# Altium PCB VAMoS Rev D.PcbDoc (part 3 of 4) (continued)
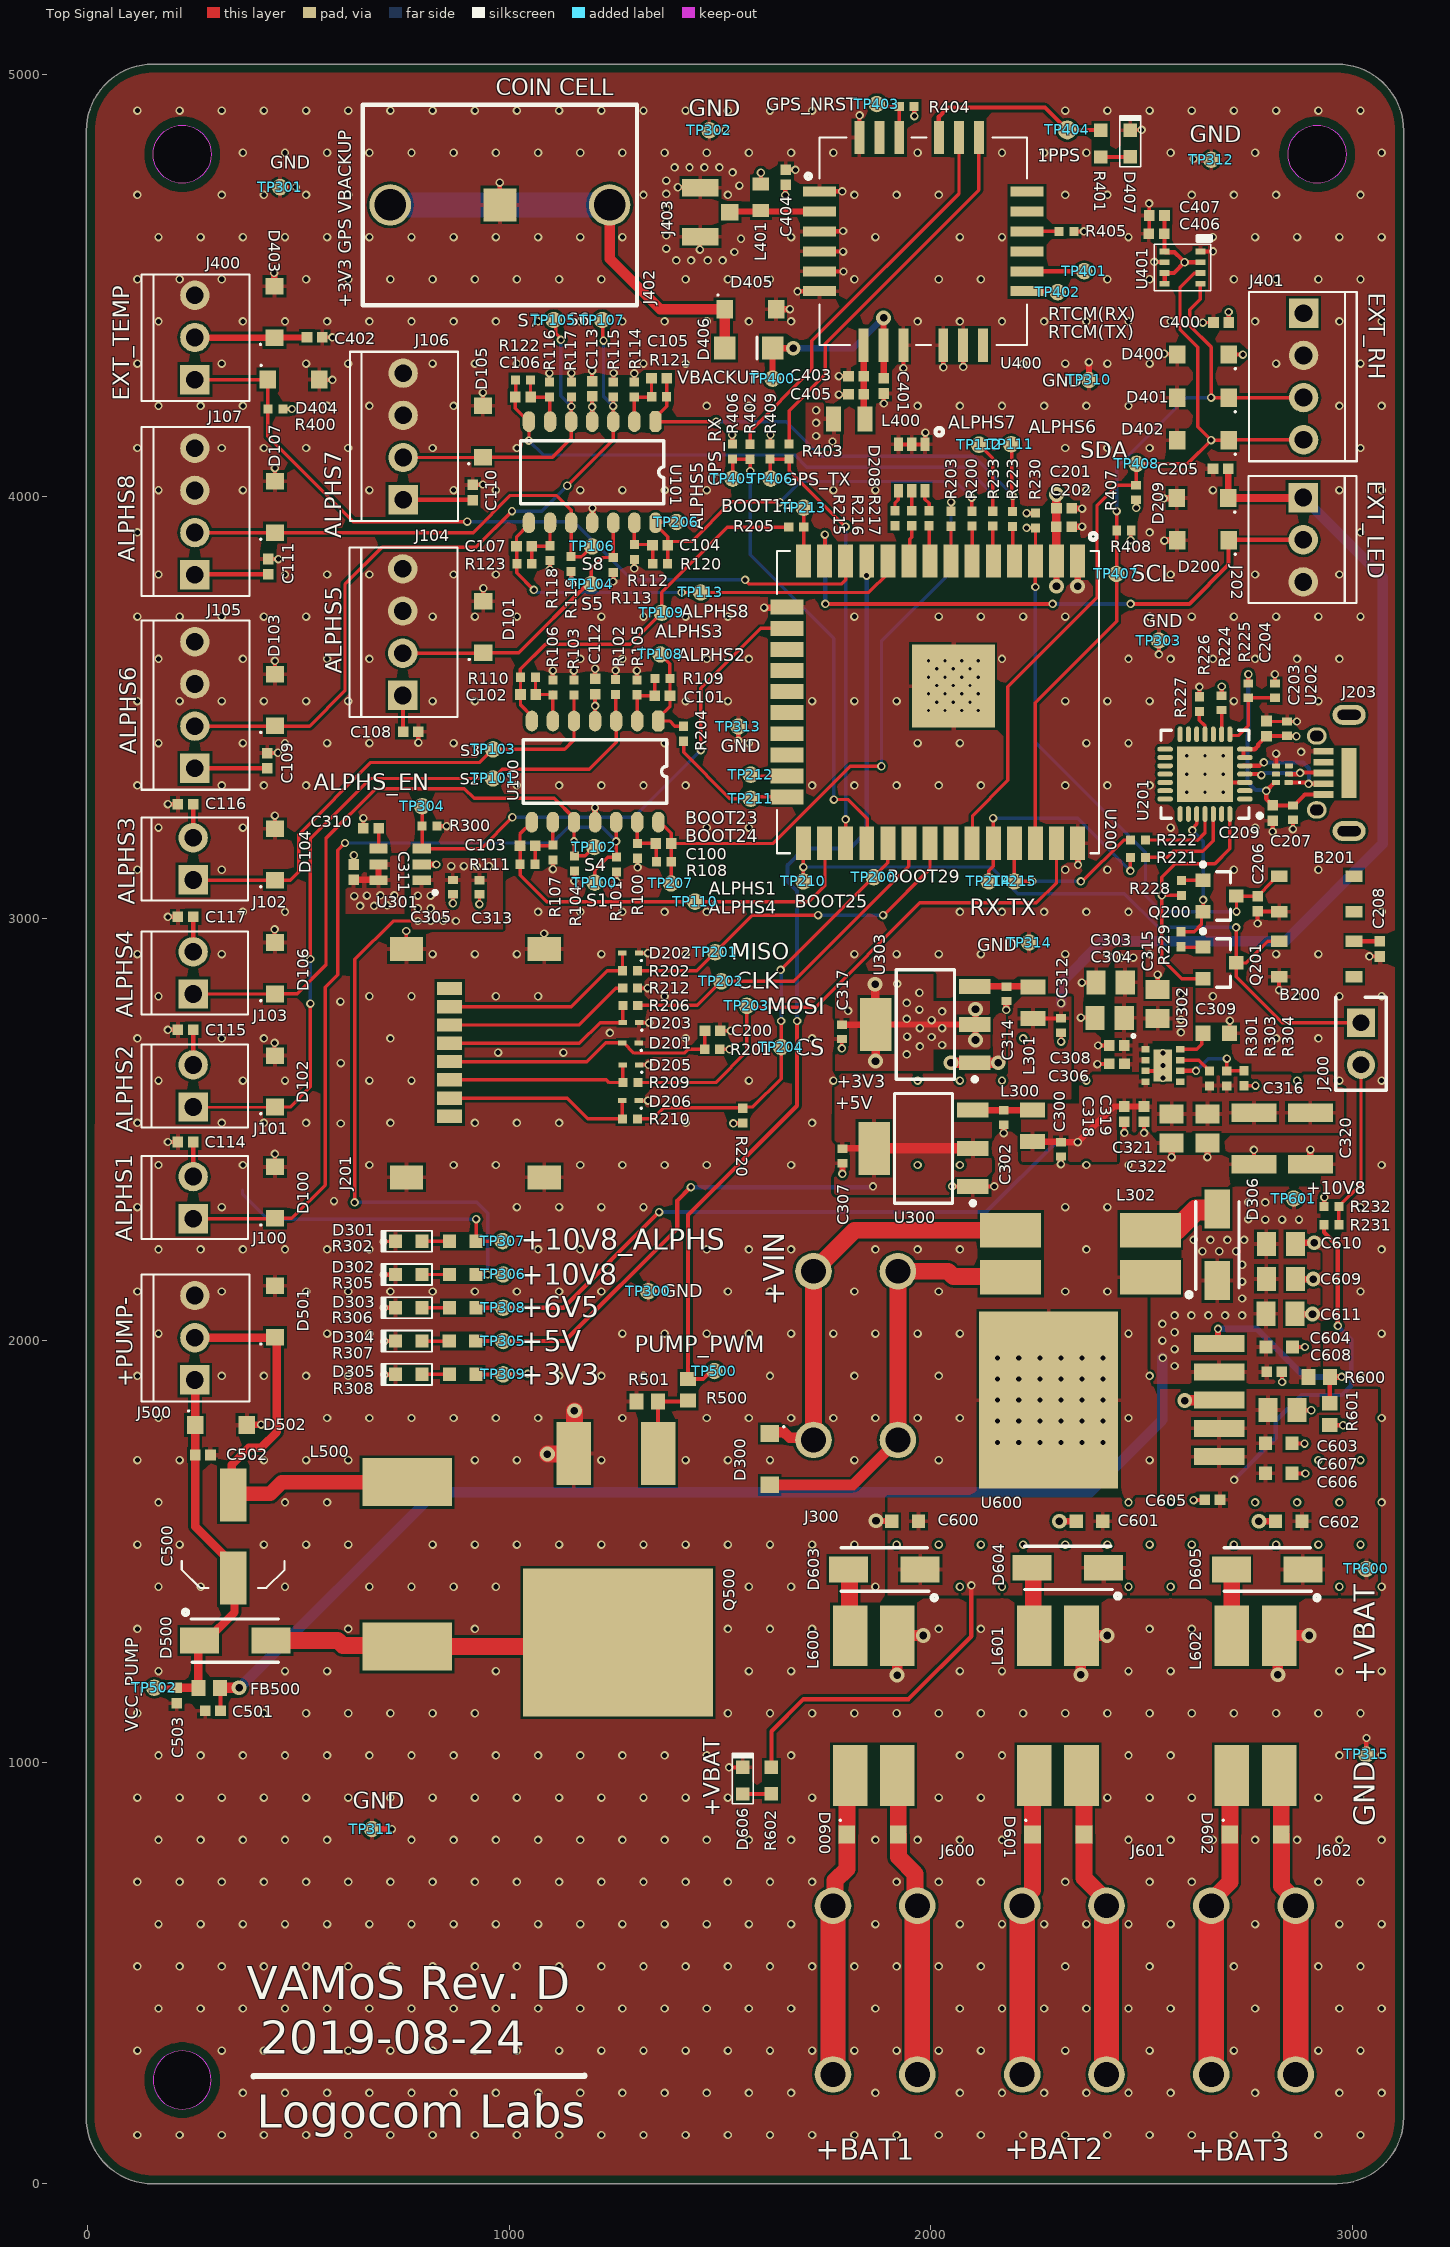
[diagram p0: Top Signal Layer view]
## Nets (pads, with @x,y where several pads share a name; then routed paths per layer and width w, separated by ;. In a path a pad name is that pad's centre, name@x,y a point inside that pad or via, vN(x,y) a via of type N, cw(c..) or ccw(c..) an arc to the next point about the centre after c; other vN are vias at no path point) (continued)
  other v2: 2048,2658
  other v3: 2606.83,3298.98 2650.14,3298.98 2693.45,3298.98 2606.83,3342.29 2693.45,3342.29 2606.83,3385.6 2650.14,3385.6 2693.45,3385.6
GPS_1PPS: R401.2 TP404.1 U400.21 | length 465.3
  Top Signal Layer w10: U400.21@2019.66,4851.5 2019.07,4852.09 2019.07,4901.07 2041,4923 2270.49,4923 TP404.1@2323.8,4869.69 2402.06,4869.69 R401.2@2403,4868.75
GPS_NRST: R404.1 TP403.1 U400.22 | length 129.3
  Top Signal Layer w8: TP403.1@1872.1,4931.09 1877.82,4925.37 1925.1,4925.37 R404.1@1925.17,4925.3 U400.22@1925.17,4851.5
GPS_RX: R402.1 R406.1 TP405.1 U200.28 | length 1128.3
  Top Signal Layer w8: R406.1@1529.77,4089.5 R406.1@1530,4089.28 ; TP405.1@1530,4043 R406.1@1530,4089.28 ; v1(1572,4061) 1572,4088.47 R402.1@1571.52,4088.95 1571.24,4089.23 1530.05,4089.23 R406.1@1530,4089.28 ; v1(1770,3282) 1804,3282 1849,3237 1849,3186.65 1849.27,3186.38 1848.27,3185.38 U200.28@1849.02,3184.63
  Bottom Signal Layer w8: v1(1572,4061) 1572,3862 1770,3664 v1(1770,3282)
GPS_TX: R403.1 R409.1 TP406.1 U200.27 | length 1071.7
  Top Signal Layer w8: TP406.1@1620.17,4043 1619.67,4043.5 1619.67,4088.78 R409.1@1619.17,4089.28 R403.1@1664.17,4089.28 1664.17,4061.83 1797,3929 v1(1798,3929) ; v1(1798,3235) 1798,3165.57 U200.27@1798.16,3165.41
  Bottom Signal Layer w8: v1(1798,3235) v1(1798,3929)
I2C_SCL: D401.1 J401.3 R408.1 TP407.1 U200.36 U401.4 | length 1780.6
  Top Signal Layer w8: U200.36@2249.02,3184.63 2245.27,3188.38 2247.27,3190.38 2247.27,3511.27 2440.5,3704.5 v1(2440.5,3966) ; U401.4@2639.25,4504.81 2639.25,4468.25 2614,4443 2614,4405.72 2664.68,4355.03 v1(2664.68,4235) D401.1@2706.02,4235 J401.3@2884,4235
  Bottom Signal Layer w8: v1(2440.5,3966) 2440.5,4069.5 2606,4235 v1(2664.68,4235)
I2C_SDA: D402.1 J401.4 R407.1 TP408.1 U200.33 U401.3 | length 1956.7
  Top Signal Layer w8: U200.33@2099.02,3184.63 2099.02,3243.98 2182.27,3327.23 2182.27,3549.27 2394,3761 2394,3979 2442,4027 R407.1@2487,4027 2487,4078 TP408.1@2488,4078 2608.68,4078 v1(2664.68,4134) ; U401.3@2639.25,4530.4 2624.4,4530.4 2591,4497 2591,4396 2633,4354 2633,4165.68 v1(2664.68,4134) ; J401.4@2884,4135 2707.02,4135 D402.1@2706.02,4134 v1(2664.68,4134)
LED_EXT: D200.1 J202.2 U200.13 | length 1444
  Top Signal Layer w10: U200.13@1748.16,3860.68 1749,3861.53 v1(1749,3910) ; v1(1750,3746) v1(2289,3746) ; v1(2474,3746) 2613,3746 2706.02,3839.02 D200.1@2706.02,3897 2707.02,3898 J202.2@2883,3898
  Bottom Signal Layer w10: v1(1749,3910) 1749.5,3909.5 1749.5,3746.5 v1(1750,3746) ; v1(2289,3746) v1(2474,3746)
LED_G: R217.1 U200.8 | length 71.5
  Top Signal Layer w8: R217.1@1996,3931.28 1996,3862.84 U200.8@1998.16,3860.68
LED_R: R216.1 U200.9 | length 73.4
  Top Signal Layer w8: U200.9@1948.16,3860.68 1950,3862.53 1950,3899 1955,3904 R216.1@1955,3931.28
NetB200_2: B200.2 C208.1 | length 61.5
  Top Signal Layer w10: B200.2@3003.43,2946.4 3003.54,2946.3 3064.74,2946.3 C208.1@3064.85,2946.19
NetC100_1: C100.1 R100.2 R108.1 U100.13 | length 139.2
  Top Signal Layer w8: U100.13@1304.01,3228.4 1304.01,3179.15 R100.2@1305.01,3178.15 R100.2@1308.76,3178.15 ; R100.2@1308.54,3178.38 R100.2@1308.76,3178.15 ; R100.2@1309.57,3177.34 R100.2@1308.76,3178.15 ; R108.1@1349.29,3134.43 1349.29,3176.56 C100.1@1348.18,3177.67 1347.71,3178.15 R100.2@1308.76,3178.15
NetC101_1: C101.1 R105.2 R109.1 U100.2 | length 143
  Top Signal Layer w8: R105.2@1303.65,3530.47 1304.01,3530.12 U100.2@1304.01,3468.4 ; R105.2@1305.94,3528.19 C101.1@1345.54,3528.19 1345.54,3568.8 R109.1@1345.94,3569.19
NetC102_1: C102.1 R106.2 R110.1 U100.6 | length 149.9
  Top Signal Layer w8: R110.1@1062.72,3572 1062.72,3531.74 C102.1@1063.39,3531.06 R106.2@1104.01,3531.06 ; U100.6@1104.01,3468.4 1104.01,3523.05 R106.2@1104.01,3531.06 ; R106.2@1104.01,3536.48 R106.2@1104.01,3531.06
NetC103_1: C103.1 R107.2 R111.1 U100.9 | length 143.1
  Top Signal Layer w8: R111.1@1061.86,3128.5 1062.25,3128.89 C103.1@1062.25,3172.25 R107.2@1101.53,3172.25 ; R107.2@1104.48,3174.42 1104.01,3174.89 U100.9@1104.01,3228.4 U100.9@1108.09,3224.32
NetC104_1: C104.1 R112.2 R120.1 U101.13 | length 139.1
  Top Signal Layer w8: U101.13@1297.24,3938.15 R112.2@1297.24,3886.87 1338.53,3886.87 C104.1@1340.24,3885.15 1340.64,3884.76 R120.1@1340.64,3841.23
NetC105_1: C105.1 R114.2 R121.1 U101.2 | length 141.9
  Top Signal Layer w8: U101.2@1297.24,4178.15 1297.24,4235.88 1297.39,4236.03 1335.04,4236.03 1337.89,4238.88 C105.1@1337.89,4281.17
NetC106_1: C106.1 R116.2 R122.1 U101.6 | length 145.8
  Top Signal Layer w8: R122.1@1051,4277 1051,4236.87 C106.1@1051.39,4236.48 1051.59,4236.28 R116.2@1096,4236.28 R116.2@1096.54,4236.28 ; U101.6@1097.24,4178.15 1096.54,4178.86 R116.2@1096.54,4236.28 ; R116.2@1098,4236.28 R116.2@1096.54,4236.28
NetC107_1: C107.1 R118.2 R123.1 U101.9 | length 139.3
  Top Signal Layer w8: R123.1@1053.96,3841.15 C107.1@1054.01,3882.32 C107.1@1054.01,3882.32 1095.7,3882.32 R118.2@1097.24,3883.87 U101.9@1097.24,3938.15
NetC200_1: C200.1 D201.2 J201.4 R201.2 | length 680.9
  Top Signal Layer w8: J201.4@859.28,2660.73 1184.73,2660.73 1229,2705 D201.2@1268.31,2705 1272.25,2705 1296.25,2681 1415.83,2681 1425,2690.17 1464.17,2690.17 1464.17,2733.23 C200.1@1464.77,2733.83
NetC302_2: C302.2 L300.2 U300.3 | length 139.2
  Top Signal Layer w8: L300.2@2240.13,2544.65 L300.2@2241.53,2546.05 L300.2@2242.77,2547.29
  Top Signal Layer w15: U300.3@2099.81,2545.55 C302.2@2172.68,2545.55 ; C302.2@2172.68,2545 L300.2@2235.28,2545
NetC309_2: C309.2 U302.8 | length 84.3
  Top Signal Layer w8: U302.8@2591.53,2689.86 2630.85,2689.86 2642.85,2701.86 2642.85,2725.35 C309.2@2645.35,2727.86 C309.2@2645.35,2728.84
NetC310_1: C310.1 U301.4 | length 48.7
  Top Signal Layer w8: U301.4@690.67,3165.48 690.67,3213.9 C310.1@690.85,3214.08
NetC314_2: C314.2 L301.2 U303.3 | length 138.5
  Top Signal Layer w8: L301.2@2240.98,2839.09 L301.2@2242.13,2837.94 L301.2@2242.21,2838.02
  Top Signal Layer w15: U303.3@2104.26,2839.09 L301.2@2240.98,2839.09
NetC403_2: C403.2 C405.2 L400.2 U400.7 | length 177.6
  Top Signal Layer w15: U400.7@1840.53,4361.11 1840.87,4360.77 1840.87,4286.43 C403.2@1841.21,4286.09 C405.2@1841.21,4243.09 1840.89,4242.76 1840.89,4184.41 L400.2@1840.57,4184.09
NetD202_2: D202.2 J201.7 R202.2 | length 486.9
  Top Signal Layer w8: J201.7@859.28,2790.65 1147.51,2790.65 1233.21,2876.34 1268.93,2876.34 1268.93,2917.66 D202.2@1268.58,2918
NetD203_2: D203.2 J201.5 R206.2 | length 471.7
  Top Signal Layer w8: J201.5@859.28,2704.03 1167.03,2704.03 1216,2753 D203.2@1269.58,2753 1269.72,2753.14 1269.72,2793.86 R206.2@1269.87,2794
NetD205_2: D205.2 J201.3 R209.2 | length 456.1
  Top Signal Layer w8: J201.3@859.28,2617.42 1230.58,2617.42 1237,2611 R209.2@1270.28,2611 1269.8,2611.48 1269.8,2652.52 D205.2@1269.31,2653
NetD206_2: D206.2 J201.2 R210.2 | length 473.7
  Top Signal Layer w8: J201.2@859.28,2574.11 1137.59,2574.11 1186.7,2525 R210.2@1269.28,2525 1268.8,2525.48 1268.8,2567.52 D206.2@1268.31,2568
NetD208_4: D208.4 R215.2 | length 55.6
  Top Signal Layer w8: R215.2@1915,3966.72 1915,3984.43 1923,3992.43 1923,4013.38 D208.4@1923.5,4013.88
  Top Signal Layer w10: D208.4@1923.5,4008.96 D208.4@1923.5,4013.88
NetD208_5: D208.5 R216.2 | length 47.2
  Top Signal Layer w8: R216.2@1955,3966.72 D208.5@1955,4013.88
NetD208_6: D208.6 R217.2 | length 56.4
  Top Signal Layer w8: D208.6@1986.5,4013.88 1986,4013.39 1986,3994.43 1996,3984.43 R217.2@1996,3966.72
  Top Signal Layer w10: D208.6@1986.5,4008.96 D208.6@1986.5,4013.88
NetD300_2: D300.2 J300.1 L302.2 | length 992.3
  Top Signal Layer w10: D300.2@1617.57,1656.11 D300.2@1618.22,1656.76
  Top Signal Layer w25: D300.2@1618.22,1656.76 1815.13,1656.76 J300.1@1921.93,1763.56
  Top Signal Layer w40: J300.1@1921.93,1763.56 J300.1@1921.93,2163.56 2040.67,2163.56 2053.23,2151 L302.2@2160.16,2151
NetD301_1: D301.1 R302.1 | length 65
  Top Signal Layer w8: D301.1@793.85,2234.81 R302.1@858.86,2234.81
NetD302_1: D302.1 R305.1 | length 65.1
  Top Signal Layer w8: D302.1@793.85,2155.87 858.67,2155.87 R305.1@858.86,2156.06
NetD303_1: D303.1 R306.1 | length 66.5
  Top Signal Layer w8: D303.1@793.85,2076.94 858.73,2076.94 R306.1@858.86,2077.06 ; D303.1@793.85,2085.06 D303.1@794.83,2084.08
NetD304_1: D304.1 R307.1 | length 64.5
  Top Signal Layer w8: D304.1@793.85,1998 858.29,1998 R307.1@858.35,1998.06
NetD305_1: D305.1 R308.1 | length 65.9
  Top Signal Layer w8: D305.1@793.85,1919.06 R308.1@858.86,1919.06 ; R308.1@862.93,1919.06 R308.1@863.86,1919.06
NetD306_2: D306.2 L302.4 | length 149.5
  Top Signal Layer w50: L302.4@2549.65,2263 2583,2263 2629,2309 2677.6,2309 D306.2@2679.4,2310.8
NetD405_1: D405.1 D406.1 J402.1 | length 1055.1
  Top Signal Layer w15: J402.1@717.32,4690.85 J402.1@718.31,4691.83 ; D406.1@1511.07,4352.71 D406.1@1511.13,4352.77
  Top Signal Layer w25: J402.1@1238.39,4691.83 1238.39,4564.61 1358.29,4444.71 D405.1@1503.13,4444.71 ; D406.1@1511.13,4352.77 D405.1@1511.13,4444.71
  Bottom Signal Layer w60: J402.1@718.31,4691.83 J402.1@1238.39,4691.83
NetD407_1: D407.1 R401.1 | length 70.6
  Top Signal Layer w10: R401.1@2403,4805.76 2472.5,4805.76 D407.1@2473,4806.25 D407.1@2473.28,4805.97
NetD500_2: D500.2 L500.1 Q500.2 | length 832.4
  Top Signal Layer w40: D500.2@435.65,1288 594,1288 606,1276 756.05,1276 L500.1@758.29,1273.76 1248.65,1273.76 Q500.2@1258.21,1283.33
NetD600_2: D600.2 J600.1 L600.2 | length 1128.4
  Top Signal Layer w40: L600.2@1920.35,967.89 1922.83,965.41 1922.83,828.57 D600.2@1923.14,828.26 1923.46,827.95 1923.46,774.54 1962.97,735.03 1962.97,664.41 J600.1@1968.12,659.26
  Top Signal Layer w60: J600.1@1968.12,259.26 J600.1@1968.12,659.26
  Bottom Signal Layer w60: J600.1@1968.12,259.26 J600.1@1968.12,659.26
NetD601_2: D601.2 J601.1 L601.2 | length 1133.2
  Top Signal Layer w40: L601.2@2357.35,967.89 2362.83,962.42 2362.83,828.57 D601.2@2363.14,828.26 2363.14,725.35 2416.62,671.87 J601.1@2416.62,659.26
  Top Signal Layer w60: J601.1@2416.62,259.26 J601.1@2416.62,659.26
  Bottom Signal Layer w60: J601.1@2416.62,259.26 J601.1@2416.62,659.26
NetD602_2: D602.2 J602.1 L602.2 | length 1124.9
  Top Signal Layer w40: L602.2@2825.86,967.89 2830.83,962.92 2830.83,828.57 D602.2@2831.14,828.26 2831.14,705.85 2865.12,671.87 J602.1@2865.12,659.26
  Top Signal Layer w60: J602.1@2865.12,259.26 J602.1@2865.12,659.26
  Bottom Signal Layer w60: J602.1@2865.12,259.26 J602.1@2865.12,659.26
NetD603_2: D603.2 L600.4 | length 158.4
  Top Signal Layer w40: D603.2@1805.39,1456.47 1806.96,1454.9 1806.96,1300.96 L600.4@1808.54,1299.39
NetD604_2: D604.2 L601.4 | length 163.1
  Top Signal Layer w40: D604.2@2240.43,1460.41 2242.98,1457.85 2242.98,1301.95 L601.4@2245.54,1299.39
NetD605_2: D605.2 L602.4 | length 157.6
  Top Signal Layer w40: D605.2@2712.87,1456.47 2713.46,1455.88 2713.46,1299.98 L602.4@2714.05,1299.39
NetD606_1: D606.1 R602.1 | length 68.1
  Top Signal Layer w10: D606.1@1554,924.26 1621.76,924.26 R602.1@1622,924.5
NetJ201_6: J201.6 R212.1 | length 437.6
  Top Signal Layer w8: J201.6@859.28,2747.34 1165.2,2747.34 1252.86,2835 R212.1@1260.53,2835
NetJ403_SIG: J403.SIG L401.1 U400.2 | length 226.3
  Top Signal Layer w8: L401.1@1581.68,4678.37 L401.1@1582.66,4679.35
  Top Signal Layer w13.2: J403.SIG@1525,4676.34 L401.1@1597.2,4676.34 ; L401.1@1590.1,4676.31 U400.2@1736.2,4676.31
  Top Signal Layer w18.55: J403.SIG@1523.38,4674.72 J403.SIG@1525,4676.34 ; J403.SIG@1523.82,4672.1 J403.SIG@1526.65,4674.94 ; L401.1@1596.94,4678.4 L401.1@1597.2,4678.65
NetQ200_1: Q200.1 R228.1 | length 50.9
  Top Signal Layer w8: R228.1@2594.85,3089.8 2595.54,3090.48 Q200.1@2645.48,3090.48
NetQ201_1: Q201.1 R229.1 | length 53
  Top Signal Layer w8: R229.1@2592.85,2933.08 2593.76,2932.17 Q201.1@2645.48,2932.17
NetQ500_1: Q500.1 R500.1 R501.2 | length 195
  Top Signal Layer w10: Q500.1@1353.29,1731.65 R501.2@1353.29,1854.65 1421.88,1854.65 R500.1@1424.29,1857.05
NetR200_1: R200.1 U200.6 | length 69.7
  Top Signal Layer w8: R200.1@2098,3930.28 2098,3860.84 U200.6@2098.16,3860.68
NetR203_1: R203.1 U200.7 | length 69.4
  Top Signal Layer w8: R203.1@2048,3930 2048,3860.84 U200.7@2048.16,3860.68
NetR223_2: R223.2 U200.4 | length 70.3
  Top Signal Layer w8: R223.2@2194,3929.28 2194,3864.84 U200.4@2198.16,3860.68
NetR224_2: R224.2 R225.2 U201.8 | length 182.3
  Top Signal Layer w8: U201.8@2709.2,3433.83 2729.37,3433.83 2752.68,3457.13 R224.2@2752.68,3523.15 R225.2@2815.85,3523.15
NetR226_2: R226.2 U201.9 | length 60.4
  Top Signal Layer w8: U201.9@2689.51,3433.83 2689.59,3433.91 2689.59,3494.07 R226.2@2689.68,3494.15
NetR227_1: R227.1 U201.11 | length 62
  Top Signal Layer w8: R227.1@2636.85,3490.36 2636.85,3470.37 2650.14,3457.08 U201.11@2650.14,3433.83
NetR233_2: R233.2 U200.5 | length 70.1
  Top Signal Layer w8: R233.2@2147,3930.28 2147,3861.84 U200.5@2148.16,3860.68
NetR301_1: R301.1 U302.7 | length 80
  Top Signal Layer w8: U302.7@2591.53,2664.27 U302.7@2591.69,2664.1 ; U302.7@2591.94,2663.86 2635.57,2663.86 R301.1@2660.85,2638.57
  Top Signal Layer w10: U302.7@2591.69,2664.1 U302.7@2591.94,2663.86
NetR303_1: R303.1 R304.2 U302.6 | length 193.3
  Top Signal Layer w8: v1(2701.85,2667.86) R303.1@2701.85,2638.57 2701.99,2638.72 2742.71,2638.72 R304.2@2742.85,2638.86
  Top Signal Layer w10: U302.6@2590.98,2638.86 v1(2628.85,2638.86)
  Bottom Signal Layer w8: v1(2628.85,2638.86) 2657.85,2667.86 v1(2701.85,2667.86)
NetR402_2: R402.2 U400.20 | length 934
  Top Signal Layer w8: R402.2@1571.52,4124.39 1571.52,4155.52 1718,4302 1718,4370 2066.91,4718.91 U400.20@2066.91,4851.5 U400.20@2068.1,4852.7
NetR403_2: R403.2 U400.19 | length 913.2
  Top Signal Layer w8: R403.2@1664.17,4124.72 1664.17,4204.17 1750,4290 1750,4363 2114.15,4727.15 U400.19@2114.15,4851.5 U400.19@2114.1,4851.55
NetR405_2: R405.2 U400.16 | length 76.1
  Top Signal Layer w8: U400.16@2228.32,4629.06 R405.2@2304.39,4629.09
NetR600_2: R600.2 R601.1 U600.5 | length 466.3
  Top Signal Layer w10: R601.1@2946,1850.59 R600.2@2946,1912.41
  Top Signal Layer w15: v1(2681,2027) 2681,1994.6 U600.5@2683.54,1992.06 ; R600.2@2946,1912.41 R600.2@2946.59,1913 v1(2974,1913)
  Bottom Signal Layer w15: v1(2681,2027) 2772.55,2027 2886.55,1913 v1(2974,1913)
PUMP_PWM: R500.2 TP500.1 U200.11 | length 2281
  Top Signal Layer w8: U200.11@1848,3860.53 U200.11@1848.16,3860.68
  Top Signal Layer w10: TP500.1@1487,1927 1479.15,1927 1460.15,1908 1424.53,1908 R500.2@1424.29,1908.24 1424.29,2297.29 1683,2556 v1(1683,2757) ; v1(1848,3813) U200.11@1848,3860.53
  Bottom Signal Layer w10: v1(1683,2757) 1683,3065 1660,3088 1660,3126 1700,3166 1808,3166 1848,3206 v1(1848,3813)
PUMP_PWM_OUT: C500.2 D501.1 J500.2 L500.2 | length 1054.9
  Top Signal Layer w8: D501.1@444.02,2006 D501.1@445,2006.98
  Top Signal Layer w10: L500.2@757,1664.82 L500.2@758.29,1663.53
  Top Signal Layer w20: J500.2@255,2006 D501.1@444.02,2006 ; C500.2@343,1636.43 343,1705 383,1745 412,1745 449.71,1782.71 449.71,2002.27 D501.1@445,2006.98
  Top Signal Layer w30: C500.2@343,1636.43 C500.2@346,1633.43
  Top Signal Layer w35: C500.2@346,1633.43 348.57,1636 434,1636 461.53,1663.53 L500.2@758.29,1663.53
RESET: B201.1 C206.1 Q200.3 R230.2 U200.3 | length 1394.7
  Top Signal Layer w8: v1(2227,3926) 2240.67,3926 2242.28,3924.39 2246.28,3928.39 2248.28,3926.39 R230.2@2248.28,3925.67 2248.28,3860.81 2248.16,3860.68 2248,3860.53 v1(2248,3786) ; v1(2724.85,3016.08) 2724.85,3052.45 2725.85,3053.08 C206.1@2774.85,3053.08 2809.58,3087.81 2809.58,3089.62 2820.36,3100.4 B201.1@2826.27,3100.4
  Bottom Signal Layer w8: v1(2248,3786) 2248,3418 2509,3157 2509,3054.93 2547.85,3016.08 v1(2724.85,3016.08)
RI: U201.2
RTCM(RX): TP401.1 U400.14 | length 149.4
  Top Signal Layer w10: U400.14@2228.64,4534.26 U400.14@2228.32,4534.57 2228.58,4534.83 TP401.1@2363.85,4534.83 2364.1,4535.09 TP401.1@2377.1,4535.09
RTCM(TX): TP402.1 U400.13 | length 75.9
  Top Signal Layer w10: U400.13@2214.48,4487.17 2289.94,4487.17 TP402.1@2290.1,4487.02 ; U400.13@2228.32,4487.33 U400.13@2228.48,4487.17
RTS: Q200.2 R229.2 U201.24 | length 338
  Top Signal Layer w8: R229.2@2592.85,2968.51 2624.28,2968.51 2641.85,2986.08 2641.85,3012.05 Q200.2@2645.48,3015.68 2645.85,3016.05 v1(2645.85,3044.08) ; v1(2620,3209) 2620,3213.23 2630.85,3224.08 2630.85,3250.36 U201.24@2630.46,3250.76
  Bottom Signal Layer w8: v1(2620,3209) 2645.85,3183.15 v1(2645.85,3044.08)
SD_CS/BOOT29: R210.1 R220.1 TP200.1 TP204.1 U200.29 | length 1042.9
  Top Signal Layer w6: U200.29@1898.16,3165.41 U200.29@1899,3164.57
  Top Signal Layer w8: R210.1@1299,2525.42 1340.54,2525.42 1366.54,2551.42 1552.42,2551.42 R220.1@1554.14,2553.14 ; R220.1@1554.14,2550.19 R220.1@1554.14,2553.14 ; R220.1@1555.87,2554.87 R220.1@1554.14,2553.14 ; v1(1644,2878) 1898.16,3132.16 U200.29@1898.16,3165.41 ; v1(1645,2757) TP204.1@1645,2695 1645,2620 1578.14,2553.14 R220.1@1554.14,2553.14
  Bottom Signal Layer w8: v1(1644,2878) 1645,2877 v1(1645,2757)
SD_MISO: R202.1 TP201.1 U200.31 | length 841.3
  Top Signal Layer w8: R202.1@1304.43,2876 R202.1@1304.7,2876 1445,2876 TP201.1@1489,2920 1577,3008 v1(1733,3008) ; v1(1887,3008) 1888,3008 1998.16,3118.16 U200.31@1998.16,3165.41
  Bottom Signal Layer w8: v1(1733,3008) v1(1887,3008)
SD_MOSI: R209.1 TP203.1 U200.37 | length 1330.6
  Top Signal Layer w8: R209.1@1305.72,2611 1490,2611 1564,2685 1564,2790 1727,2790 1974,3037 2250,3037 2298.16,3085.16 U200.37@2298.16,3165.41
SD_SCLK: R206.1 TP202.1 U200.30 | length 820.9
  Top Signal Layer w8: R206.1@1305.3,2794 1446.25,2794 TP202.1@1503.25,2851 1675,2851 1948.16,3124.16 U200.30@1948.16,3165.41
SENSOR_IN_1: D100.1 J100.1 R101.2 TP100.1 U100.12 | length 2026.2
  Top Signal Layer w8: J100.1@251.06,2288 444.02,2288 D100.1@445,2288.98 484.98,2288.98 564,2368 564,2837 594,2867 594,3162 v1(611,3179) ; TP100.1@1202.85,3085.08 1202.85,3114.28 1234.01,3145.43 R101.2@1255.01,3145.43 1254.01,3146.43 v1(1254.01,3183) U100.12@1254.01,3228.4
  Bottom Signal Layer w8: v1(611,3179) 1103,3179 1140,3216 1221.01,3216 v1(1254.01,3183)
SENSOR_IN_2: D102.1 J101.1 R102.2 TP101.1 U100.3 | length 1818.8
  Top Signal Layer w6: J101.1@251.06,2552.92 251.12,2552.98 D102.1@445,2552.98
  Top Signal Layer w8: D102.1@445,2552.98 480.98,2552.98 529,2601 v1(529,2798) ; v1(529,2904) 529,3189 672,3332 TP101.1@962,3332 984.08,3354.08 1189.85,3354.08 1254.01,3418.24 U100.3@1254.01,3468.4 1253.43,3468.98 1253.43,3530.22 R102.2@1252.86,3530.8
  Bottom Signal Layer w8: v1(529,2798) v1(529,2904)
SENSOR_IN_3: D104.1 J102.1 R103.2 TP103.1 U100.5 | length 1199.3
  Top Signal Layer w6: J102.1@251.06,3091.45 J102.1@251.54,3090.98
  Top Signal Layer w8: J102.1@251.54,3090.98 D104.1@445,3090.98 480.98,3090.98 501,3111 501,3199 672,3370 931,3370 TP103.1@962,3401 1131.61,3401 1154.01,3423.4 U100.5@1154.01,3468.4 R103.2@1154.01,3530.24 ; R103.2@1154,3530.28 R103.2@1154.04,3530.24
SENSOR_IN_4: D106.1 J103.1 R104.2 TP102.1 U100.10 | length 1454.6
  Top Signal Layer w8: J103.1@251.06,2820.98 D106.1@445,2820.98 ; D106.1@446,2819.98 448,2821.98 497.98,2821.98 566,2890 566,3190 684,3308 894,3308 917,3285 1107.25,3285 1154.01,3238.24 U100.10@1154.01,3228.4 v1(1154.01,3183) 1154.01,3149.43 R104.2@1155.01,3148.43 1181.01,3148.43 TP102.1@1202.01,3169.43
SENSOR_IN_5: D101.1 J104.2 R113.2 TP104.1 U101.12 | length 696.6
  Top Signal Layer w8: J104.2@748,3629 938.02,3629 D101.1@939,3629.98 1022.98,3629.98 1186.08,3793.08 TP104.1@1194.85,3793.08 1194.85,3829.08 1221.64,3855.87 R113.2@1247.24,3855.87 U101.12@1247.24,3938.15
SENSOR_IN_6: D103.1 J105.2 R115.2 TP107.1 U101.3 | length 1737.5
  Top Signal Layer w8: J105.2@255,3456 527,3456 611,3540 611,3792 698.79,3879.79 920.79,3879.79 v1(1007,3966) ; v1(1138.09,4026) 1247.24,4135.15 U101.3@1247.24,4178.15 ; TP107.1@1221,4419 1222.5,4417.5 1222.5,4371.5 v1(1224,4370) ; R115.2@1246.89,4236 R115.2@1247.17,4236.28 ; U101.3@1247.24,4178.15 R115.2@1247.17,4236.28
  Bottom Signal Layer w8: v1(1007,3966) 1078.09,3966 v1(1138.09,4026) ; v1(1224,4370) 1224,4238 v1(1247,4215)
SENSOR_IN_7: D105.1 J106.2 R117.2 TP105.1 U101.5 | length 738.6
  Top Signal Layer w8: J106.2@749,4093 934.98,4093 936,4091.98 D105.1@938,4093.98 1103.07,4093.98 1147.24,4138.15 U101.5@1147.24,4178.15 1147.62,4178.53 1147.62,4235.9 R117.2@1148,4236.28 ; TP105.1@1106,4419 1110.75,4414.25 1110.75,4387.5 1123,4375.25 v1(1123,4372)
  Bottom Signal Layer w8: v1(1123,4372) 1123,4239 v1(1148,4214)
SENSOR_IN_8: D107.1 J107.2 R119.2 TP106.1 U101.10 | length 1109.8
  Top Signal Layer w8: J107.2@255,3915 D107.1@445,3914.98 ; D107.1@448,3914.98 914.98,3914.98 1003,4003 1111.93,4003 1147.24,3967.69 U101.10@1147.24,3938.15 R119.2@1147.24,3857.87 1172.64,3857.87 TP106.1@1196.85,3882.08
USB_N: J203.2 U201.5 U202.1 | length 288.8
  Top Signal Layer w10: U201.5@2741.68,3361.98 2779.04,3361.98 2787.14,3370.08 v1(2789.85,3370.08) ; U202.1@2848.42,3322.39 2892.54,3322.39 v1@2895.44,3319.49 ; v1@2892.54,3319.49 v1@2895.44,3319.49 ; v1(2895.85,3319.08) v1@2895.44,3319.49 ; J203.2@2930.83,3319.49 v1@2895.44,3319.49
  Bottom Signal Layer w10: v1(2789.85,3370.08) 2882.85,3370.08 2896.85,3356.08 2896.85,3320.08 v1(2895.85,3319.08)
USB_P: J203.3 U201.4 U202.2 | length 221.1
  Top Signal Layer w10: U201.4@2741.68,3342.29 2778.93,3342.29 2781.14,3340.08 v1(2783.85,3340.08) ; U202.2@2849.01,3342.08 2875.85,3342.08 2879.85,3346.08 2929.83,3346.08 J203.3@2930.83,3345.08
  Bottom Signal Layer w10: v1(2783.85,3340.08) 2786.56,3340.08 2791.56,3345.08 v1(2875.85,3345.08)
V_USB: C207.2 C209.1 J203.1 R224.1 U202.6 | length 531.8
  Top Signal Layer w10: R224.1@2752.68,3557.01 2752.76,3557.09 2752.76,3578.99 v1(2752.85,3579.08) ; U202.6@2818.69,3322.39 2814.95,3322.39 v1(2795.33,3302.77) 2795.33,3283.71 C209.1@2810.85,3268.19 2861.19,3268.18 2886.91,3293.9 J203.1@2930.83,3293.9
  Bottom Signal Layer w10: v1@2752.85,3576.5 2752.85,3436.73 2750.85,3434.73 2750.85,3324.08 2770.33,3304.6 2793.49,3304.6 v1(2795.33,3302.77)
VBACKUP_GPS: C401.2 D406.2 TP400.1 U400.8 | length 523.3
  Top Signal Layer w15: TP400.1@1624.8,4273.87 1624.8,4286 1624.8,4352.27 D406.2@1625.24,4352.71 1625.95,4352 v2(1674,4352) ; v2(1888,4424) 1887.89,4423.89 1887.89,4359.49 U400.8@1887.77,4359.38 1888.15,4359 1888.15,4281.4 C401.2@1888.54,4281.02
  Bottom Signal Layer w15: v2@1666,4352 v2(1674,4352) 1816,4352 v2(1888,4424)
VBAT: C600.2 C601.2 C602.2 C603.1 C605.1 C606.2 C607.2 D603.1 D604.1 D605.1 R231.1 R602.2 TP600.1 U600.1 U600.2 | length 1577.2
  Top Signal Layer w10: R602.2@1622,987.5 1622,1073 1698,1149 1947,1149 2096,1298 v1(2096,1419) ; R231.1@2932.28,2274 2932,2273.72 2932,2256 2965,2223 v1(2965,2034)
  Bottom Signal Layer w10: v1(2719,1669) 2818,1768 2818,1809 2879,1870 2975,1870 2997,1892 2997,2002 v1(2965,2034)
VBAT_A_EXT: D600.1 J600.2 L600.1 | length 1125.4
  Top Signal Layer w40: J600.2@1768.12,659.26 1773.27,664.41 1773.27,718.78 1801.09,746.61 D600.1@1801.09,828.26 1801.41,828.57 1801.41,960.76 L600.1@1808.54,967.89
  Top Signal Layer w60: J600.2@1768.12,259.26 J600.2@1768.12,659.26
  Bottom Signal Layer w60: J600.2@1768.12,259.26 J600.2@1768.12,659.26
VBAT_B_EXT: D601.1 J601.2 L601.1 | length 1120.6
  Top Signal Layer w40: J601.2@2216.62,659.26 2216.62,671.87 2241.09,696.35 D601.1@2241.09,828.26 2241.41,828.57 2241.41,963.76 L601.1@2245.54,967.89
  Top Signal Layer w60: J601.2@2216.62,259.26 J601.2@2216.62,659.26
  Bottom Signal Layer w60: J601.2@2216.62,259.26 J601.2@2216.62,659.26
VBAT_C_EXT: D602.1 J602.2 L602.1 | length 1128.9
  Top Signal Layer w40: J602.2@2665.12,659.26 2665.12,671.87 2709.09,715.85 D602.1@2709.09,828.26 2709.41,828.57 2709.41,963.25 L602.1@2714.05,967.89
  Top Signal Layer w60: J602.2@2665.12,259.26 J602.2@2665.12,659.26
  Bottom Signal Layer w60: J602.2@2665.12,259.26 J602.2@2665.12,659.26
VBAT_DIV: J200.2 R231.2 R232.1 | length 400.7
  Top Signal Layer w8: R231.2@2967.72,2274 R232.1@2967.72,2317.31 3020,2369.59 J200.2@3020,2653
pads on no net: B200.4 B201.2 B201.4 J201.1 J201.8 J203.0 J203.4 J203.9 R215.1 U200.17 U200.18 U200.19 U200.20 U200.21 U200.22 U200.32 U201.10 U201.12 U201.13 U201.14 U201.15 U201.16 U201.17 U201.18 U201.19 U201.20 U201.21 U201.22 U202.3 U202.5 U302.5 U400.12 U400.15 U400.17 U400.18 U400.23

## Polygon pours and split planes (outlines as drawn)
+10V8 on Top Signal Layer "+10V8_SWITCH" (solid, pour order 60): 768,3142.49 768,2975 985,2975 985,3143.5
+10V8 on Top Signal Layer "+10V8_TOP" (solid, pour order 37): 2521.21,1897 2547,1897 2923,1897 2923,2364 2595,2364 2595,2101 2521.21,2101
+6V5 on Top Signal Layer "+6V5_BUCK" (solid, pour order 40): 2979,2492 2441,2493 2441,2423.45 2213.97,2422.45 2213.97,2492 2213.97,2561 2352,2561 2351.97,2630 2979,2630
+10V8 on Top Signal Layer "+10V8_BUCK" (solid, pour order 42): 2436,2925.05 2436,2635 2525,2635 2525,2710 2621,2710 2621,2837 2502,2837 2502,2924.99
+5V on Top Signal Layer "5V_linear" (solid, pour order 54): 1773,2617 1788,2632 2184,2632 2184,2783 2216,2815 2333,2815 2333,2573 2332,2572 2048,2572 2048,2517 2051,2517 2055,2517 2145,2517 2145,2400 2090,2345 1770.52,2345
GND on Top Signal Layer "GND_TOP" (solid, remove dead copper, pour order 62): -2.48,5025.48 3121,5025.48 3121,0.52 -2.48,0.52
VBAT on Top Signal Layer "VBAT" (solid, pour order 36): 1898,1626 1898,1395 1944,1395 3060,1395 3060,1883.64 2544,1883.64 2544,1626
+3V3 on Top Signal Layer "3V3_LINEAR" (solid, pour order 56): 1774,2862 1780,2868 2006,2868 2006,2804 2139.85,2804 2141.1,2690 2006,2690 2006,2639 1774,2639
+3V3 on Top Signal Layer "3V3_GPS" (solid, pour order 44): 1703.19,4223.4 1784.7,4223.4 1784.7,4116 1703.19,4116
+10V8_ALPHS on Top Signal Layer "+10V8_ALPHS_TOP" (solid, pour order 52): 612.32,3110 663,3110 663,3149 752,3149 752,3011 612.88,3011